# KiCad board 2x2RemotePanel.kicad_pcb (continued)
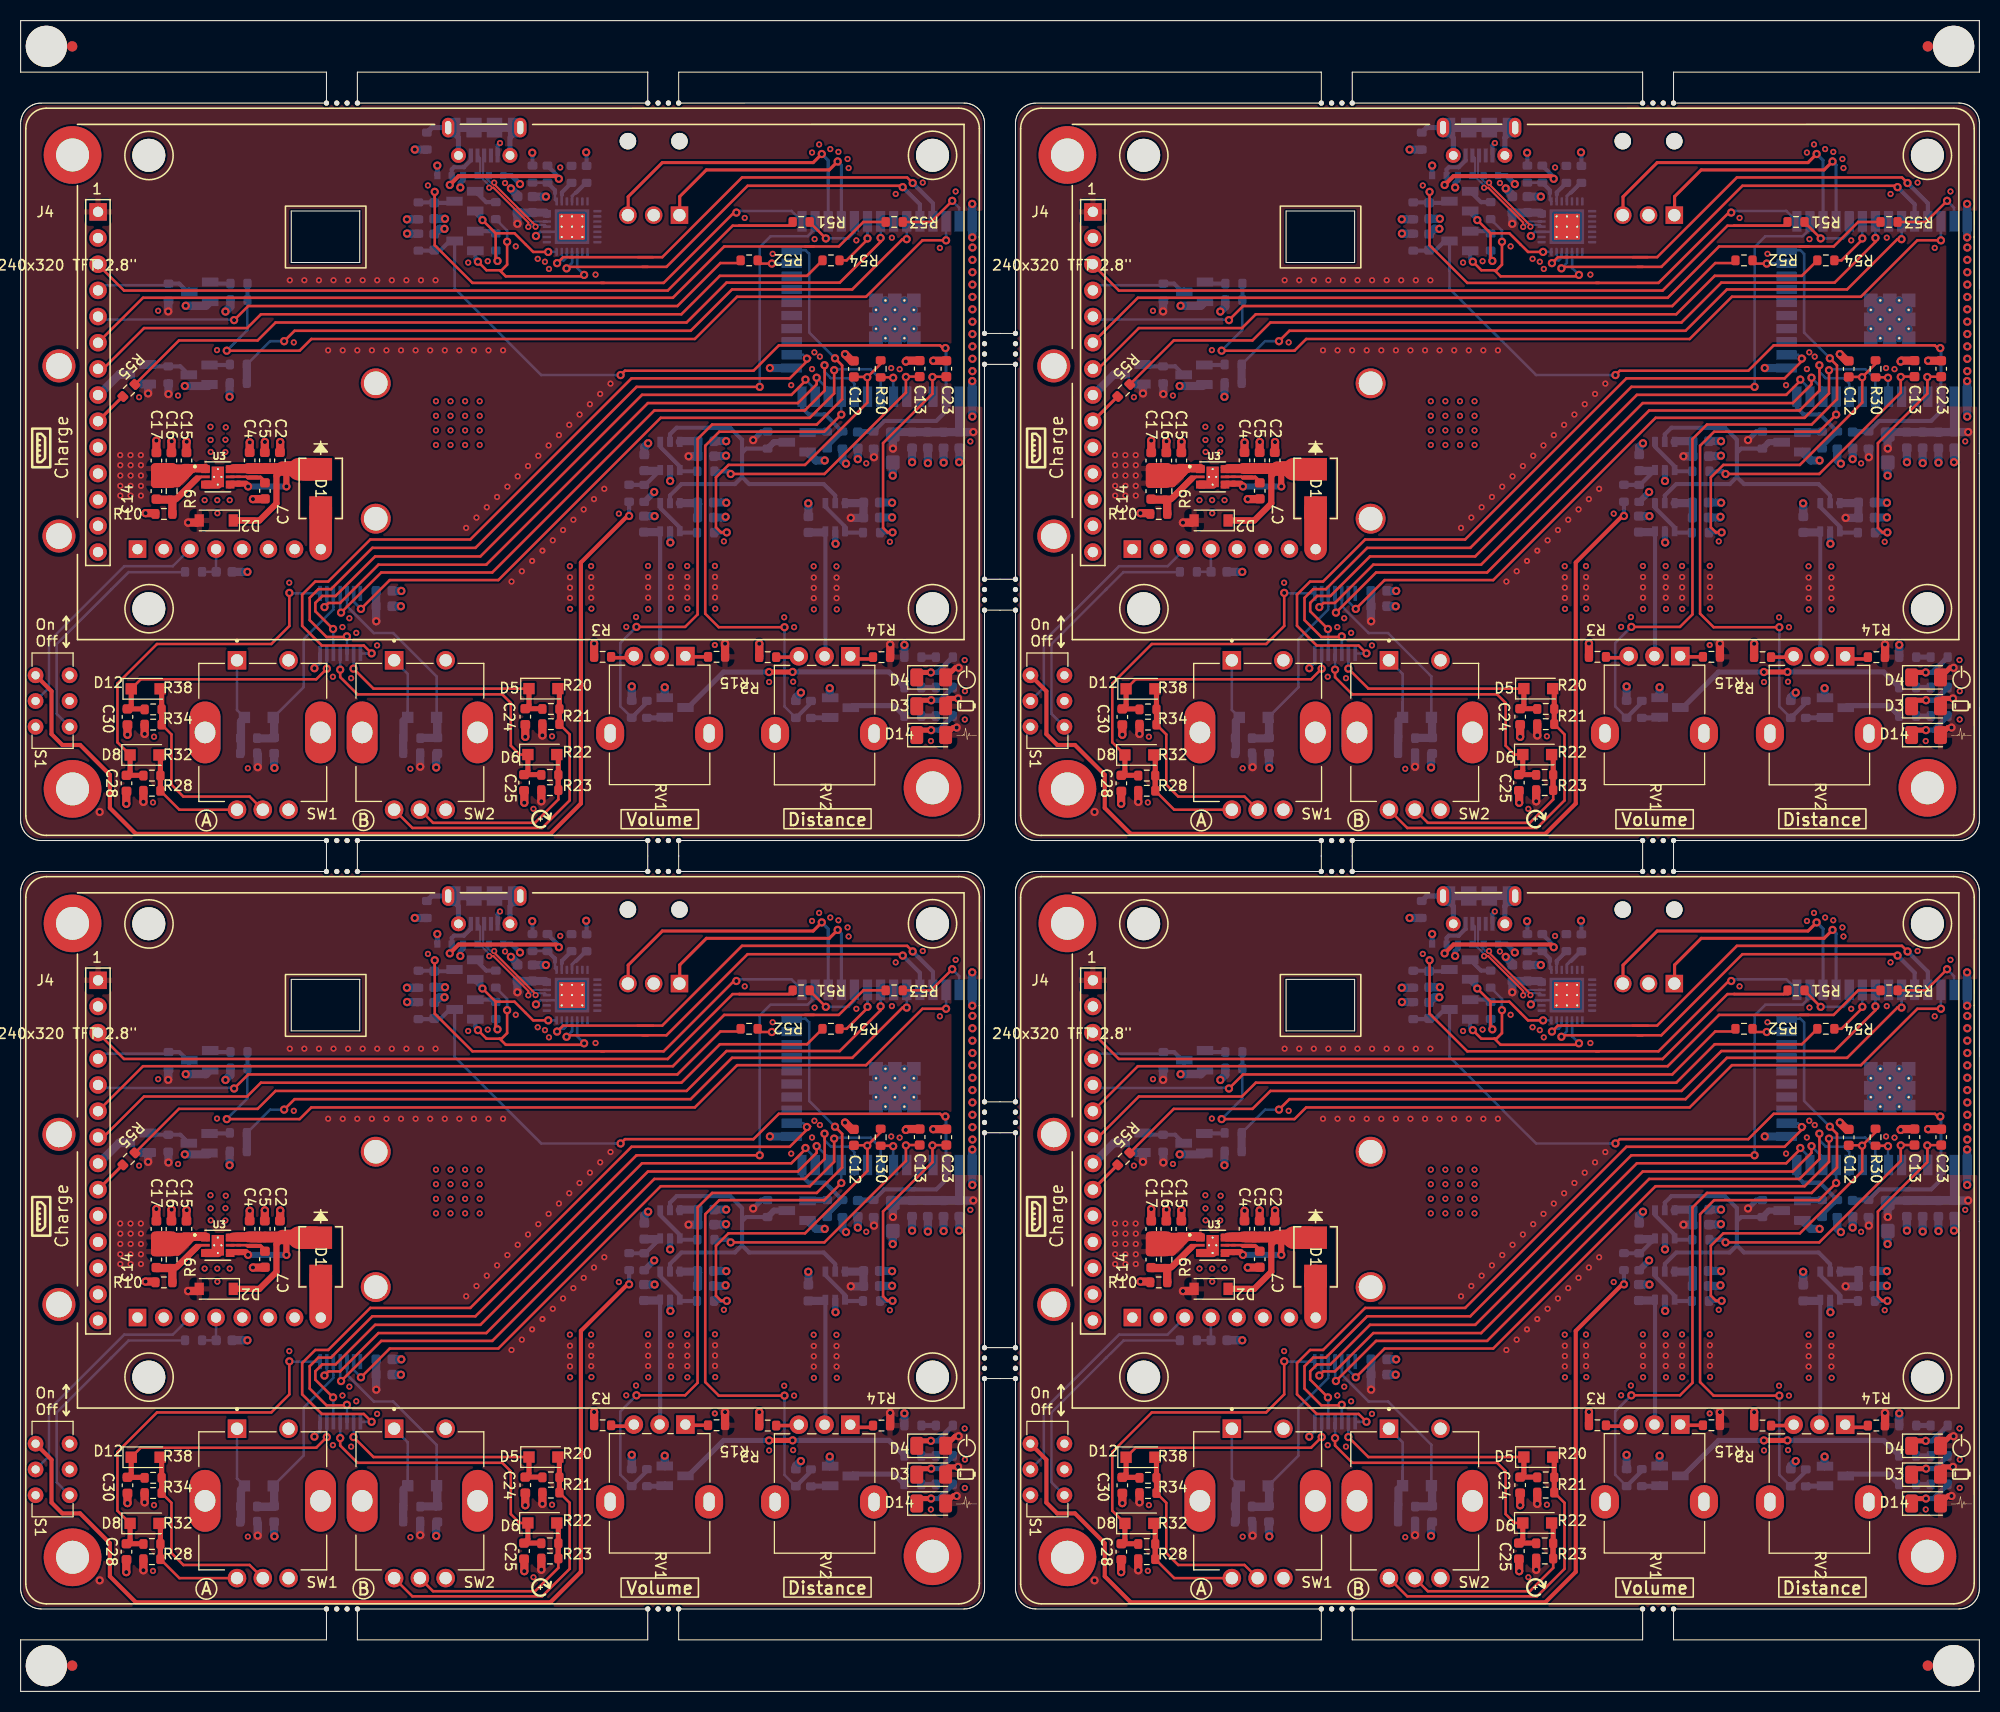
[diagram p0: board, top side]
## Routing (per net, layer and track width the routed paths; a pad name or vN(x,y) marks a point on that pad's centre or on a via; arc(x,y) is an arc through that point) (continued)
Board_1-+5V: length 4
  Top w0.25: 125.61,110.86 J1#3.8
  Top w2.2: D1#2.2 125.61,110.86
Board_1-/D+: length 10.5
  Top w0.2: v1(142.44,146.42) 142.44,146.27 146.45,142.26 v1(146.45,142.15)
  Bottom w0.2: J3#2.3 141.37,148.97 141.37,147.14 142.09,146.42 v1(142.44,146.42) ; v1(146.45,142.15) 146.63,142.33 147.36,142.33 U6.4
Board_1-/D-: length 11.4
  Top w0.2: v1(145.75,142.13) 145.75,142.55 142.37,145.93 v1(141.96,145.93)
  Bottom w0.2: U6.5 146.27,142.65 v1(145.75,142.13) ; D11#4.2 141,147.1 141.96,146.14 v1(141.96,145.93) ; J3#2.2 141.08,148.81 141.08,147.12 141.06,147.1
Board_1-ADC0: length 33.1
  Top w0.25: R30#3.1 179.93,128.84 v2(178.63,127.54) 178.6,127.57 ; 178.6,127.57 178.64,127.53 178.64,125.08 172.59,119.03 165.17,119.03 163.95,117.81 163.95,112.98 164.45,112.48 v2(165,112.48) 165.19,112.48 ; 178.6,127.57 C12#2.2
  Bottom w0.25: 164.98,112.46 v2(165,112.48) ; v2(178.63,127.54) 178.63,125.68 U7#3.9
  Bottom w0.4: R6#4.2 164.98,112.46
Board_1-ADC1: length 26.9
  Top w0.25: v2(182.38,127.57) 182.38,126.06 174.47,118.15 v2(165.39,118.15) ; v2(182.38,127.57) 182.37,127.58 ; v2(182.38,127.57) 182.42,127.6 C13#4.2
  Bottom w0.25: 165.34,118.1 v2(165.39,118.15) 165.39,118.17 ; U7#3.6 182.38,125.74 v2(182.38,127.57)
  Bottom w0.4: v2(165.39,118.15) 165.13,118.41 R7#2.2
Board_1-ADC2: length 22.2
  Top w0.25: v2(181.08,112.48) 180.6,112.48 180.16,112.92 180.16,121.15 184.95,125.94 v2(184.95,127.56) 184.98,127.59 C23#4.2
  Bottom w0.25: v2(184.95,127.56) 185,127.51 U7#3.4 ; 181.06,112.46 v2(181.08,112.48)
  Bottom w0.4: R16#2.2 181.06,112.46
Board_1-DTR: length 13.7
  Top w0.25: 142.58,141.51 144.41,141.51 146.22,139.7 v2(147.68,139.7) ; 142.58,141.51 142.58,139.01 v2(142.76,138.83) ; 142.58,141.51 v2(141.3,142.79)
  Bottom w0.25: v2(147.68,139.7) U6.28 ; 142.74,139.7 R45#4.1 ; Q5#3.2 140.61,143.49
  Bottom w0.4: 140.61,143.49 v2(141.3,142.79) ; v2(142.76,138.83) 142.6,138.99 R45#4.1
Board_1-EN_: length 79.9
  Top w0.25: v2(154.7,127.75) 155.12,128.17 167.59,128.17 170.05,130.63 185.69,130.63 186.18,130.14
  Top w0.3: v2(186.21,130.37) 186.18,130.34 186.18,130.14
  Bottom w0.25: 136.56,139.82 C35#3.2 ; v2(154.7,127.75) 147,127.75 138.61,136.15 Q6#4.3 138.13,140.76
  Bottom w0.3: v2(186.21,130.37) 186.27,130.31 U7#3.3 ; Q6#4.3 138.61,137.93
  Bottom w0.4: U7#3.3 186.27,124.24 185.33,123.3 182.88,123.3 ; C35#3.2 137.26,139.89 138.13,140.76 ; R48.2 136.56,139.82 ; 183.23,123.3 180.29,123.3 R26#4.2
  Bottom w0.5: 179.43,122.27 177.94,122.27
Board_1-Enc1A: length 72.7
  Top w0.25: v2(130.55,100.74) 129.79,101.5 125.72,101.5 123.81,103.41 123.81,106.44 125.08,107.71 126.34,107.71 130.42,111.79 140.12,111.79 155.76,127.43 171.11,127.43 173.08,129.4 172.83,129.4 v2(172.78,129.35)
  Bottom w0.25: U5.1 130.54,100.73 v2(130.55,100.74) ; v2(172.78,129.35) 172.41,129.72 U7#3.16
Board_1-Enc1A_: length 23.1
  Top w0.25: D5#4.1 130.73,97.32 v2(128.8,99.26)
  Top w0.5: R20#4.1 147.09,95.37 C24.1 145.82,95.73 D5#4.1
  Bottom w0.25: v2(128.8,99.26) 128.8,99.26 U5.2
Board_1-Enc1B: length 80.7
  Top w0.25: v2(128.15,102.39) 128.09,102.33 126.18,102.33 124.54,103.97 124.54,106.13 125.38,106.97 126.61,106.97 130.62,110.98 140.62,110.98 156.25,126.6 v2(168.2,126.6)
  Bottom w0.25: U7#3.26 173.57,141.94 172.85,141.22 169.24,141.22 168.2,140.17 v2(168.2,126.6) ; U5.3 128.16,102.38 v2(128.15,102.39)
Board_1-Enc1B_: length 29.8
  Top w0.25: D6#3.1 144.91,90.92 144.05,91.78 144.05,95.93 143.22,96.76 129.18,96.76 127.5,98.44 v2(127.5,99.16)
  Top w0.5: D6#3.1 145.71,89.35 C25#3.1 146.99,88.97 R22.1
  Bottom w0.25: v2(127.5,99.16) U5.4
Board_1-Enc2A: length 61.1
  Top w0.25: v2(173.72,127.49) 173.72,126.85 171.9,125.03 157.35,125.03 141.67,109.35 131.21,109.35 127.49,105.63 126.38,105.63 v2(125.98,105.23)
  Bottom w0.25: v2(125.98,105.23) 126.21,105.46 U5.9 ; U7#3.12 174.84,126.37 v2(173.72,127.49)
Board_1-Enc2A_: length 36.4
  Top w0.25: v2(122.57,106.61) 122.57,103.4 120.82,101.65 109.73,101.65 105.89,97.81 105.89,92.11 D8.1 ; 108.32,88.86 108.35,88.88
  Top w0.5: D8.1 107.12,89.25 C28#2.1 108.39,88.91 R28#2.1
  Bottom w0.25: v2(122.57,106.61) 122.61,106.57 U5.8
Board_1-Enc2B: length 64.3
  Top w0.25: v2(172.63,127.31) 172.63,127.2 171.27,125.83 156.78,125.83 141.1,110.15 130.89,110.15 127.05,106.31 125.76,106.31 125.09,105.64 125.09,104.82 v2(126.81,103.1)
  Bottom w0.25: v2(126.81,103.1) 126.84,103.07 U5.5 ; U7#3.13 173.57,126.37 v2(172.63,127.31)
Board_1-Enc2B_: length 26.9
  Top w0.25: v2(126.21,99.25) 125.18,98.23 108.16,98.23 D12.1
  Top w0.35: C30#4.1 106.89,95.33 108.47,95.33
  Top w0.5: C30#4.1 107.23,95.72 D12.1 ; C30#4.1 106.64,95.35 ; C30#4.1 108.48,95.35 R34#2.1
  Bottom w0.25: U5.6 v2(126.21,99.25)
Board_1-ESP32_RXD0: length 46.3
  Top w0.25: 156.38,139.19 158.74,139.19 166.48,146.93 182.5,146.93 v2(183.04,146.39) ; v2(148.54,138.61) 149.12,139.19 150.1,139.19 ; 157.84,139.19 149.71,139.19
  Bottom w0.25: v2(148.54,138.61) 148.82,138.88 149.2,138.88 149.49,139.18 U6.26
  Bottom w0.4: v2(183.04,146.39) 185,144.42 U7#3.35
Board_1-ESP32_TXD0: length 42.3
  Top w0.25: v2(182.07,145.99) 181.94,146.12 167.02,146.12 159.15,138.25 156.84,138.25 ; v2(149.46,138.1) 149.61,138.25 157.32,138.25
  Bottom w0.25: U6.25 149.99,138.64 v2(149.46,138.1)
  Bottom w0.4: U7#3.34 183.73,144.32 v2(182.07,145.99)
Board_1-GND: length 128.5
  Top w0.4: 114.21,117.24 114.21,117.01
  Top w0.8: C15#4.1 112.59,121.26 v2(112.61,121.28) ; v2(106.75,86.15) 106.75,87.34 C28#2.2 ; 168.16,100.31 v2(168.16,101.68) ; v2(111.15,121.33) 111.13,121.31 C16#4.1 ; 109.57,114.35 v2(108.62,114.35) ; C23#4.1 v2(185.03,129.14) ; 120.17,115.71 v2(119.04,115.71) ; 145.46,93.85 v2(145.46,92.64) ; v2(182.37,129.07) 182.46,129.15 C13#4.1 ; C17#4.1 v2(109.67,121.39) ; 152.13,100.33 v2(152.13,101.7) ; 145.36,87.35 v2(145.36,86.25) ; C30#4.2 v2(106.87,92.85) ; 121.68,120.21 v2(121.68,121.25) ; C12#2.1 177.13,129.12 v2(176.47,129.78) ; 115.67,117.12 114.41,117.12 ; C4#4.1 118.72,121.21 ; C5#2.1 120.19,121.25
  Bottom w0.25: U6.29 149.49,141.65 U6.3 146.9,141.65 v2(146.5,141.25) ; C6.1 157.36,120.02 ; R5#2.2 157.01,115.45 ; 136.62,142.91 136.53,142.91 ; 114.88,126.78 114.83,126.73
  Bottom w0.3: 114.93,126.73 114.88,126.78 ; v2(125,99.3) 125.55,99.84 U5.7 ; 116.8,126.78 116.75,126.73
  Bottom w0.4: v2(146.13,149.33) 146.16,149.31 146.16,148.08 ; J3#2.5 142.77,150.04 v1(143,150.27) ; v2(151.36,149.37) 151.4,149.33 R41#2.2
  Bottom w0.5: D10#3.1 144.13,147.1 v2(144.94,146.29) ; D9#2.1 v2(136.92,148.08) ; D11#4.1 139.42,146.66 139.15,146.39 v2(139.15,145.95)
  Bottom w0.6: 175.53,112.63 175.53,111.4 ; 159.51,118.71 v2(159.51,117.47) ; 157.01,115.45 v2(157.97,116.4) ; 159.51,112.76 159.51,111.52
  Bottom w0.8: 188.82,125.47 v2(188.82,127.17) ; R27#3.1 v2(134.74,149.64) ; U7#3.39_12 U7#3.39_14 U7#3.39_13 182.23,132.24 ; C3#2.1 v2(158,114.06) ; 121.09,90.95 121.09,89.66 v2(121.13,89.62) ; C6.1 157,120.76 v2(157.37,121.13) ; 180.4,132.24 U7#3.39_7 ; 180.4,132.24 U7#3.39_8 ; 180.4,132.24 U7#3.39_15 182.23,132.24 ; v2(174.5,119.46) 173.66,119.46 Q2#4.2 172.94,120.18 ; C31#4.1 v2(147.46,145.07) ; U7#3.39_10 U7#3.39_20 ; v2(188.82,123.72) 188.82,125.65 ; v2(136.82,89.66) 136.82,90.97 136.86,91.01 ; v2(164.93,119.92) 164.9,119.89 163.71,119.89 ; v2(137.62,141.94) 137.13,141.94 C35#3.1 ; v2(133.99,141.48) 134,141.47 R48.1 ; Q4#2.2 114.49,134.48 v2(112.52,134.48) ; 159.51,111.52 v2(159.53,111.5) ; R13.2 v2(182.23,101.56) ; 135.09,142.87 v2(133.98,142.87) ; v2(172.19,96.93) 171.72,96.46 171.72,96.41 ; 114.7,126.69 v2(112.43,126.69) ; C9#2.2 164.93,115.38 v2(164.95,115.36) ; 174.99,96.41 v2(174.99,97.36) ; C29#3.1 144.7,145.22 v2(144.06,145.86) ; C38#3.2 v2(137.67,142.92) ; U7#3.39_11 183.11,134.12 182.91,134.12 182.87,134.08 U7#3.39_21 ; 179.78,113.92 181.02,113.92 v2(181.04,113.94) ; 172.92,113.97 172.92,115.29 v2(172.91,115.3) ; C34#4.1 186.03,119.26 ; 182.23,132.24 U7#3.39_1 ; 170.61,128.43 169.24,128.43 ; U7#3.39_5 U7#3.39_18 U7#3.39_19 U7#3.39_17 ; C8#2.2 164.82,113.92 v2(164.89,113.99) ; C36#2.1 184.5,119.21 ; 188.82,142.82 v2(188.82,141.12) ; U7#3.39_9 180.4,134.08 U7#3.39_16 182.23,134.08 U7#3.39_3 ; 179.78,115.38 181.02,115.38 v2(181.04,115.36) ; v2(116.77,125.64) 116.77,126.95 ; v2(155.79,97.53) 155.78,97.53 R12.2 ; C33#4.1 187.56,119.31 ; v2(116.37,133.91) 116.86,134.4 R42#4.2 ; U7#3.38 v2(188.81,144.36) ; 175.53,111.4 v2(175.55,111.38) ; v2(176.57,119.15) 176.22,119.5 176.22,120.57 ; 181.1,119.36 v2(181.1,117.99) ; C1#3.2 v2(118.5,108.65) ; 132.5,105.31 v2(133.39,105.31) ; Q1#4.2 v2(158.99,97.45) ; 163.71,121.35 164.92,121.35 v2(164.94,121.33) ; C26#4.1 v2(177.71,119.59) ; C22#4.2 v2(133.43,106.8) ; C37#4.1 182.97,119.3
  vias: v1(107.99,125.6) v1(109.34,86.27) v1(109.44,92.65) v1(109.84,133.99) v1(111.77,125.76) v1(114.35,115.61) v1(114.92,122.73) v1(114.93,121.45) v1(114.94,120.29) v1(115.55,130.17) v1(115.58,115.61) v1(115.59,114.34) v1(116.4,122.68) v1(116.37,121.47) v1(116.36,120.28) v1(116.78,115.61) v1(118.54,89.59) v1(122.56,107.6) v1(123,130.92) v1(126.79,98.47) v1(127.72,103.29) v1(128.39,104.15) v1(128.56,98.33) v1(129.06,102.73) v1(131.08,101.51) v1(134.31,89.54) v1(136.01,146.15) v1(136.79,125.21) v1(136.79,123.8) v1(136.79,122.38) v1(136.79,120.97) v1(138.21,125.21) v1(138.21,123.8) v1(138.21,122.38) v1(138.21,120.97) v1(139.62,125.21) v1(139.62,123.8) v1(139.62,122.38) v1(139.62,120.97) v1(139.92,138.67) v1(141.04,125.21) v1(141.04,123.8) v1(141.04,122.38) v1(141.04,120.97) v1(141.82,138.8) v1(143.49,146.39) v1(144.53,140.24) v1(146.25,85.65) v1(146.66,139.03) v1(147.36,138.75) v1(147.75,138.05) v1(148.05,92.69) v1(148.85,147.89) v1(149.78,109.2) v1(149.8,105.06) v1(151.84,109.21) v1(151.87,105.08) v1(152.27,137.5) v1(154.53,114.3) v1(155.25,103.31) v1(156.2,104.26) v1(157.36,109.22) v1(157.38,105.06) v1(159.57,109.21) v1(159.6,105.06) v1(161.16,109.22) v1(161.18,105.06) v1(163.85,109.23) v1(163.88,105.08) v1(164.72,111.61) v1(166.74,143) v1(169.11,97.96) v1(169.45,139.52) v1(170.57,104.24) v1(171.25,126.77) v1(171.44,97.99) v1(171.53,103.28) v1(173.28,149.35) v1(173.27,128.33) v1(173.43,109.19) v1(173.52,140.94) v1(173.5,129.96) v1(173.45,105.01) v1(173.96,150.13) v1(174.03,129.54) v1(175.04,149.68) v1(175.64,109.18) v1(175.67,105.01) v1(175.83,149.41) v1(176.72,148.72) v1(176.82,147.84) v1(177.57,140.82) v1(178.53,119.18) v1(180.82,111.57) v1(181.02,141.08) v1(180.95,128.43) v1(181.39,145.32) v1(181.77,128.32) v1(184.01,146.43) v1(184.8,92.23) v1(185.67,140.09) v1(187.2,145.57) v1(188.08,100.09) v1(188.1,97.07) v1(188.09,94.32) v1(188.63,121.31) v2(118.73,121.22) v2(120.2,121.26) v2(169.19,128.43) v2(182.98,119.29) v2(184.51,119.21) v2(186.04,119.25) v2(187.54,119.29) v2(188.83,140.13) v2(188.83,138.93) v2(188.83,137.73) v2(188.83,136.53) v2(188.83,135.33) v2(188.83,134.13) v2(188.83,132.93) v2(188.83,131.73) v2(188.83,130.53) v2(188.83,129.33) v2(188.83,128.13) v3(163.84,101.55)
Board_1-IO0: length 51.2
  Top w0.25: 152.81,136.7 158.88,136.7 165.7,143.52 v2(165.93,143.52) ; v2(136.67,145.53) 136.67,140.35 140.33,136.7 153.11,136.7
  Bottom w0.25: v2(165.93,143.52) 166.09,143.67 171.29,143.67 U7#3.25 172.3,143.29 ; 136.57,144.52 C38#3.1 136.62,145.48 v2(136.67,145.53) ; 138.43,144.47 Q5#3.3
  Bottom w0.4: R47#2.1 136.57,144.52 ; C38#3.1 138.43,144.47
Board_1-LB: length 52.2
  Top w0.25: v2(170.6,103.28) 164.22,103.28 162.91,104.59 162.91,120.89 164.28,122.25 174.45,122.25 v2(176.11,123.91)
  Bottom w0.25: 171.71,94.79 172.02,94.79 ; U7#3.11 v2(176.11,123.91) 176.08,123.91 ; R29#3.1 170.6,95.58 v2(170.6,103.28) ; 173.17,95.94 R31#2.1
  Bottom w0.4: 172.02,94.79 173.17,95.94
Board_1-MCU_HB: length 69.2
  Top w0.25: v2(175.5,129.38) 176.19,128.69 176.19,125.41 173.73,122.95 163.58,122.95 162.17,121.54 162.17,104.52 160.96,103.31 v2(156.24,103.31)
  Bottom w0.25: v2(175.5,129.38) 173,131.88 173,139.51 172.64,139.88 U7#3.24 170.99,140.19 ; R11#3.1 157.26,95.97 ; v2(156.24,103.31) 154.68,101.75 154.68,95.59 R12.1
  Bottom w0.4: 157.26,95.97 R12.1 155.96,94.32
Board_1-Net-(C1-Pad1): length 3.6
  Bottom w0.25: R1.1 C1#3.1 115.46,108.67 J1#3.4
Board_1-Net-(C3-Pad2): length 14.1
  Bottom w0.25: 158.54,100.03 158.49,99.98 ; U1#4.3 158.44,112.59 ; U1#4.3 158.56,112.57 ; U1#4.3 158.54,112.59 ; U1#4.3 158.52,112.57 ; U1#4.3 158.48,112.53
  Bottom w0.4: U1#4.3 158.54,100.03
  Bottom w0.8: 157.13,112.51 158.33,112.51
Board_1-Net-(C6-Pad2): length 5.9
  Bottom w0.25: 157.18,117.28 R5#2.1 ; 158.54,118.84 U2#3.3 ; 158.24,118.23 157.88,117.87 ; 155.54,117.1 R4#4.2
  Bottom w0.4: U2#3.3 157.1,117.1 R5#2.1 155.54,117.1
  Bottom w0.8: 157.06,118.46 158.26,118.46
Board_1-Net-(C7-Pad2): length 6.8
  Top w0.25: 119.98,117.67 119.87,117.78 ; 119.75,117.74 118.67,117.74 ; 118.43,117.85 118.54,117.74 119.62,117.74 ; 117.81,117.88 116.89,117.88 ; 119.88,117.77 119.77,117.88 ; 119.76,117.88 118.68,117.88 ; 120.02,117.63 119.91,117.74 ; 119.45,117.88 118.37,117.88 ; 118.4,117.88 117.48,117.88
Board_1-Net-(C14-Pad1): length 8.9
  Top w0.23: 113.63,117.48 113.97,117.82 ; 113.53,117.89 114.01,117.89
  Top w0.6: 111.6,115.71 113.42,117.53 ; 111.77,115.88 113.59,117.7 ; 111.13,115.71 111.16,115.71
  Top w0.8: R10.2 111.22,114.28 111.22,115.62 ; 109.67,115.66 111.08,115.66
Board_1-Net-(C18-Pad2): length 14.3
  Bottom w0.25: 174.46,112.48 U4#3.3 ; 174.49,100.24 174.49,99.96 174.57,100.04
  Bottom w0.4: U4#3.3 174.57,100.04
  Bottom w0.8: 173.17,112.48 174.37,112.48
Board_1-Net-(D3-Pad1): length 4.3
  Top w0.25: 184.01,96.19 D3#2.1
  Top w0.5: v2(184.83,96.19) 184.01,96.19
  Bottom w0.5: R8#2.1 185.69,96.19 v2(184.83,96.19)
Board_1-Net-(D4-Pad1): length 4.3
  Top w0.25: 183.91,98.89 D4#2.1
  Top w0.5: v2(184.8,98.89) 183.91,98.89
  Bottom w0.5: R58.1 185.45,98.89 v2(184.8,98.89)
Board_1-Net-(D5-Pad2): length 30.3
  Top w0.25: R21.2 149.76,92.88 149.76,86.47 147.09,83.8 134.51,83.8 SW2#2.A
  Top w0.35: 148.66,95.32 148.68,95.35 ; 148.68,93.87 148.66,93.85
  Top w0.5: R21.2 148.77,97.17 D5#4.2
Board_1-Net-(D6-Pad2): length 20.8
  Top w0.25: SW2#2.C 136.51,84.3 146.4,84.3 148.67,86.56 R23#4.2
  Top w0.35: 148.58,88.9 148.58,88.89 148.58,87.37
  Top w0.5: D6#3.2 148.67,90.77 R23#4.2
Board_1-Net-(D8-Pad2): length 13.3
  Top w0.25: R32#2.2 111.9,85.57 SW1.A
  Top w0.35: 110,87.36 110,88.88
  Top w0.5: D8.2 110.06,90.74 R32#2.2
Board_1-Net-(D12-Pad2): length 21.1
  Top w0.25: SW1.C 118.72,86.84 112.29,86.84 111.13,88 111.13,92.88 R38.2
  Top w0.35: 110.12,93.83 110.12,95.33
  Top w0.5: D12.2 110.18,97.15 R38.2
Board_1-Net-(D14-Pad1): length 4.3
  Top w0.25: 183.91,93.29 D14.1
  Top w0.5: v2(184.82,93.29) 183.91,93.29
  Bottom w0.5: v2(184.82,93.29) 185.56,93.29 R40#2.1
Board_1-Net-(J3-Pad6): length 28.7
  Bottom w0.5: J3#2.6 J3#2.6 ; J3#2.6 J3#2.6 ; J3#2.6 J3#2.6 143.97,150.77 J3#2.6 ; J3#2.6 136.4,151.77 135.91,151.29 ; J3#2.6 J3#2.6 ; J3#2.6 138.97,150.77 J3#2.6
  Bottom w0.8: 139.84,151.77 142.34,151.77 140.44,151.77 ; 141.86,151.78 144.36,151.78 142.46,151.78 ; J3#2.6 J3#2.6 J3#2.6
Board_1-Net-(J4-Pad3): length 76.8
  Top w0.25: 166.21,142.26 166.22,142.25 171.45,142.25 171.46,142.26 ; 171.4,142.61 R51#4.2 171.03,142.25 165.57,142.25 159.27,135.95 106.53,135.95 104.01,138.47 J4#4.3 ; J4#4.3 104.14,138.38 ; J4#4.3 104.04,138.53
  Top w0.35: 104.14,138.38 104.23,138.47
Board_1-Net-(J4-Pad4): length 9.6
  Bottom w0.25: 110.7,136.47 104.52,136.47
  Bottom w0.3: 104.52,136.47 J4#4.4
  Bottom w0.4: R46#4.2 111.89,136.63 112.69,135.83 Q4#2.3
  Bottom w0.5: 110.7,136.47 R46#4.2 110.85,136.55
  Bottom w0.8: 112.85,135.85 Q4#2.3
Board_1-Net-(J4-Pad5): length 65
  Top w0.25: 117.18,132.93 117.21,132.96 v2(117.21,133.08) 118.58,134.45 160.21,134.45 164.38,138.62 166.09,138.62 R52#3.2
  Bottom w0.25: J4#4.5 104.3,133.14 117.16,133.14 v2(117.21,133.08)
Board_1-Net-(J4-Pad6): length 82.1
  Top w0.25: R53#3.2 178.25,142.61 175.87,140.23 172.58,140.23 ; J4#4.6 108.38,135.25 159.77,135.25 164.75,140.23 173.46,140.23
Board_1-Net-(J4-Pad7): length 75.2
  Top w0.25: J4#4.7 104.51,128.35 108.47,132.31 118.47,132.31 119.81,133.65 160.6,133.65 164.33,137.38 172.79,137.38 174.42,139.01 ; 104.4,128.35 104.06,128.35
Board_1-Net-(J4-Pad9): length 3.4
  Top w0.25: R55#2.2 106.41,125.67
  Top w0.3: 106.41,125.67 J4#4.9
Board_1-Net-(Q1-Pad1): length 1.8
  Bottom w0.25: 158.93,94.49 Q1#4.1
  Bottom w0.5: R11#3.2 158.93,94.49
  Bottom w0.8: 158.96,94.52 Q1#4.1
Board_1-Net-(Q1-Pad3): length 23.3
  Top w0.5: v2(171.39,98.94) 171.38,98.93 v2(169.1,98.93)
  Bottom w0.5: v2(171.39,98.94) 180.72,98.94 R57#3.2 ; Q1#4.3 161.25,95.49 164.69,98.93 v2(169.1,98.93)
Board_1-Net-(Q2-Pad1): length 1.9
  Bottom w0.25: 172.92,122.26 Q2#4.1
  Bottom w0.6: R18#2.2 172.92,122.26
Board_1-Net-(Q3-Pad1): length 2.1
  Bottom w0.25: R31#2.2 173.44,94.75 ; 174.8,94.75 Q3.1
  Bottom w0.5: 173.28,94.49 174.64,94.49
Board_1-Net-(Q3-Pad3): length 5.7
  Bottom w0.5: R59#3.2 181.21,95.67 177.24,95.67 Q3.3
Board_1-Net-(Q4-Pad1): length 2
  Bottom w0.25: 115.04,136.63 Q4#2.1
  Bottom w0.4: R43#3.2 115.04,136.63
Board_1-Net-(Q5-Pad1): length 2.4
  Bottom w0.4: R44.2 141.66,144.53 Q5#3.1
Board_1-Net-(Q6-Pad1): length 2.1
  Bottom w0.25: 142.38,141.71 R45#4.2
  Bottom w0.4: Q6#4.1 142.38,141.71
Board_1-Net-(Q7-Pad1): length 1.8
  Bottom w0.4: 116.75,128.73 114.93,128.73
Board_1-Net-(Q7-Pad3): length 4.2
  Bottom w0.4: 109,128.6 111.99,128.6 Q7.3
Board_1-Net-(R1-Pad2): length 24.5
  Bottom w0.25: 105.35,107 106.98,108.63 112.43,108.63 R1.2 ; 105.35,107 100,101.65 100,94.86 S1#3.6 ; 105.35,107 105.25,106.9 ; 101.25,93.9 101.25,93.42
Board_1-Net-(R2-Pad2): length 2.4
  Top w0.35: 160.99,99.98 161.42,100.4 R2.2
Board_1-Net-(R3-Pad1): length 2.3
  Top w0.35: 155.99,99.98 155.65,100.32 153.87,100.32
Board_1-Net-(R4-Pad1): length 96.1
  Top w0.25: v2(155.53,114.08) 155.37,114.08
  Top w0.4: 155.37,114.08 150.85,109.56 150.85,86.18 147.9,83.22 107.68,83.22 105.16,85.74 105.16,88.96 102.27,91.85 100.55,91.85 99.5,92.9 99.5,97.06 S1#3.1
  Bottom w0.4: R4#4.1 v2(155.53,114.08)
Board_1-Net-(R6-Pad1): length 5.2
  Bottom w0.25: 160.44,112.97 U1#4.1 160.57,112.46 ; U1#4.4 158.54,114.87
  Bottom w0.4: 158.54,114.87 160.44,112.97 ; R6#4.1 160.57,112.46
Board_1-Net-(R7-Pad1): length 5.3
  Bottom w0.25: 160.44,118.89 U2#3.1 160.57,118.41 ; U2#3.4 158.54,120.79
  Bottom w0.4: R7#2.1 160.57,118.41 ; 158.54,120.79 160.44,118.89
Board_1-Net-(R13-Pad1): length 1.4
  Bottom w0.5: R13.1 R58.2
Board_1-Net-(R14-Pad2): length 2.4
  Top w0.35: R14#2.2 179.01,100.2 177.23,100.2 176.99,99.96
Board_1-Net-(R15-Pad1): length 2.4
  Top w0.35: 171.99,99.96 171.57,100.38 R15#4.1
Board_1-Net-(R16-Pad1): length 5.3
  Bottom w0.25: U4#3.4 174.57,114.95 ; 176.47,113.05 U4#3.1 176.6,112.46
  Bottom w0.4: 174.57,114.95 176.47,113.05 ; R16#2.1 176.6,112.46
Board_1-Net-(R30-Pad2): length 3.1
  Top w0.25: R30#3.2 181.1,127.53 v2(181.14,127.49)
  Bottom w0.25: v2(181.14,127.49) 181.14,125.71 U7#3.7
Board_1-Net-(R35-Pad1): length 3.6
  Bottom w0.25: U6.8 148.34,144.75 148.34,145.38 ; R37#2.1 R35.1
  Bottom w0.4: R35.1 148.34,145.69 148.34,145.38
Board_1-Net-(R39-Pad2): length 2.3
  Bottom w0.25: R39#2.2 149.86,146.33 ; 149.01,145.24 148.99,145.22 U6.9
  Bottom w0.4: 149.01,145.24 149.01,145.48 R39#2.2
Board_1-Net-(R40-Pad2): length 1.4
  Bottom w0.5: R59#3.1 R40#2.2
Board_1-Net-(R41-Pad1): length 2.5
  Bottom w0.25: 151.4,146.41 151.3,146.41 ; U6.11 149.99,145.12 ; 150.38,145.45 150.33,145.45
  Bottom w0.3: 150.33,145.45 149.99,145.12
  Bottom w0.4: 150.38,145.45 151.33,146.41 151.3,146.41
Board_1-Net-(R57-Pad1): length 1.4
  Bottom w0.5: R57#3.1 R8#2.2
Board_1-OA_LP: length 8.2
  Bottom w0.25: R18#2.1 174.74,120.78
  Bottom w0.4: 174.74,120.78 R19#2.1 174.54,123.94 172.94,123.94 172.3,124.58 U7#3.14
Board_1-PD#: length 38.6
  Bottom w0.25: 166.48,117.86 166.48,118.94 ; 166.49,121.47 166.49,120.21 ; 166.22,121.74 166.48,121.48
  Bottom w0.4: 166.48,121.48 166.48,117.86 ; 166.48,117.86 165.79,117.17 160.6,117.17 159.49,116.06 U1#4.5 ; 166.48,117.86 167.17,117.17 174.41,117.17 175.52,116.05 U4#3.5 ; R17#2.2 166.89,120.61 166.49,120.21 ; 166.49,121.47 165.32,122.64 160.13,122.64 159.49,122 U2#3.5
  Bottom w0.6: Q2#4.3 169.58,121.24 R17#2.2
Board_1-RTS: length 20.4
  Top w0.25: v2(140.87,138.75) 141.7,137.92 142.97,137.92 ; 142.97,137.92 143.15,137.92 143.7,138.46 v2(143.7,140.69) ; 142.97,137.92 143.56,137.33 151.02,137.33 v2(151.17,137.47)
  Bottom w0.25: U6.24 150.49,138.14 v2(151.17,137.47) ; R44.1 143.7,141.77 v2(143.7,140.69)
  Bottom w0.4: v2(140.87,138.75) 140.62,139 Q6#4.2
Board_1-RX2: length 24
  Top w0.3: 160.44,143.75 160.44,145.08 163.02,147.66 174.94,147.66 v2(175.76,148.48)
  Bottom w0.3: U7#3.28 176.11,148.13 v2(175.76,148.48)
Board_1-Sel1: length 65.3
  Top w0.25: v2(129.51,105.06) 132.31,107.85 142.84,107.85 158.59,123.6 173.05,123.6 175.42,125.97 v2(175.42,128.22)
  Bottom w0.25: v2(129.51,105.06) 128.8,105.77 U5.13 ; U7#3.8 179.92,127.35 178.95,128.32 175.52,128.32 v2(175.42,128.22)
Board_1-Sel1_: length 12.1
  Bottom w0.25: 134.05,96.03 D7.2 134.05,98.75 SW2#2.1
  Bottom w0.35: R24#3.2 133.62,92.5 R25.1
  Bottom w0.8: 133.62,91.11 133.62,92.59 ; 133.64,92.64 133.64,94.19
Board_1-Sel1_Filt: length 19.8
  Bottom w0.25: D7.1 136.85,98.5 132.64,102.71 130.76,102.71 128.16,105.31 U5.12
  Bottom w0.8: 136.92,94.26 136.92,92.71 ; 136.86,92.56 136.83,92.54 135.39,92.54
Board_1-Sel2: length 66.4
  Top w0.25: v2(174.49,128.7) 174.5,128.69 174.5,126.24 172.56,124.31 157.97,124.31 142.25,108.59 131.48,108.59 v2(127.59,104.7)
  Bottom w0.25: v2(127.59,104.7) 127.5,104.78 U5.11 ; v2(174.49,128.7) 174.49,128.06 175.1,127.45 176.85,127.45 177.38,126.91 U7#3.10 177.38,124.73
Board_1-Sel2_: length 10.4
  Bottom w0.25: SW1.1 117.49,95.24 D13#2.2
  Bottom w0.35: 117.85,91 117.85,92.51 117.87,92.52
  Bottom w0.8: 117.88,91.02 117.88,92.5 ; 117.88,92.6 117.88,94.15
Board_1-Sel2_Filt: length 17.6
  Bottom w0.25: D13#2.1 123.95,97.46 123.95,102.11 126.84,105 126.84,105.27 U5.10
  Bottom w0.8: 119.55,92.5 121.1,92.5 ; 121.1,94.22 121.1,92.67
Board_1-TFT_CS~: length 6.3
  Top w0.25: R51#4.1 173.05,142.58 v2(174.61,141.01)
  Bottom w0.25: v2(174.61,141.01) 176.81,141.01 177.38,141.58 U7#3.29
Board_1-TFT_DC: length 3.4
  Top w0.25: R52#3.1 168.31,138.57 v2(169.38,138.57)
  Bottom w0.25: U7#3.23 169.42,138.61 v2(169.38,138.57)
Board_1-TFT_LED: length 3.6
  Bottom w0.8: Q8#3.3 106.08,127.83 104.06,125.81
Board_1-TFT_MISO: length 80
  Top w0.25: v2(179.92,141.06) 179.92,140.68 175.96,136.72 164.97,136.72 161.1,132.85 121.23,132.85 119.49,131.11 111.86,131.11 R55#2.1
  Bottom w0.25: U7#3.31 v2(179.92,141.06)
Board_1-TFT_MOSI: length 7.9
  Top w0.25: R53#3.1 184.82,142.61 v2(186.87,144.66)
  Bottom w0.25: v2(186.87,144.66) 187.54,143.99 U7#3.37
Board_1-TFT_ON/PWM_BL_CTRL: length 74.6
  Top w0.25: v2(182.46,140.94) 182.05,140.94 177.17,136.06 165.51,136.06 161.5,132.05 123.08,132.05 v2(122.07,131.04)
  Bottom w0.25: v2(122.07,131.04) 120.71,131.04 R50#4.1 ; v2(182.46,140.94) 182.46,140.95 U7#3.33
  Bottom w0.35: 118.45,126.78 R50#4.1
  Bottom w0.8: R50#4.1 R49#3.1
Board_1-TFT_RST: length 83.4
  Top w0.25: v2(116.5,130.12) 123.57,130.12 124.7,131.25 161.9,131.25 166,135.35 178.51,135.35 183.99,140.82 v2(186.28,140.82) 186.27,140.82
  Bottom w0.25: v2(186.28,140.82) 186.27,140.83 U7#3.36 ; v2(116.5,130.12) 118.51,132.12 R42#4.1
  Bottom w0.4: R42#4.1 R43#3.1
Board_1-TFT_SCK: length 5.3
  Top w0.25: v2(178.65,141.01) 178.65,140.91 176.63,138.88 R54#4.1
  Bottom w0.25: U7#3.30 v2(178.65,141.01)
Board_1-TX2: length 28.6
  Top w0.3: 155.44,143.75 155.44,145.06 158.75,148.37 173.38,148.37 v2(174.22,149.21)
  Bottom w0.3: v2(174.22,149.21) 174.84,148.58 U7#3.27
Board_1-VBAT: length 24.2
  Top w0.25: 98.4,96.15 97.95,96.15
  Bottom w0.25: J1#3.3 111.26,109.2 106.55,109.2 99.25,101.9 99.25,97.41 S1#3.2
Board_1-VBUS: length 17.4
  Top w0.4: v2(148.72,146.8) 148.45,147.06 138.99,147.06 v2(138.13,146.2)
  Bottom w0.25: J3#2.1 140.17,148.59 ; 138.27,147.65 138.54,147.92
  Bottom w0.4: 147.61,148.08 148.72,146.97 v2(148.72,146.8) ; 140.17,148.59 139.5,147.92 138.54,147.92 138.32,147.7 138.32,146.39 v2(138.13,146.2)
Board_2-+3V3: length 86.5
  Top w0.25: 13.17,42.74 C17#3.2 ; 14.63,42.69 C16.2 ; D3#3.2 89.73,21.53
  Top w0.5: D4.2 90.66,24.76 v2(91,24.76) ; D14#4.2 90.46,18.97 v2(90.8,18.97) ; 89.73,21.53 89.99,21.79 v2(90.94,21.79) ; 18.1,43.93 18.1,44.16 ; 18.11,43.96 18.11,44.19
  Top w0.6: D2.2 17.33,39.07
  Top w0.8: 17.52,44.14 16.78,44.14 16.74,44.11 16.54,44.11 ; R21#4.1 v2(50.62,18.21) ; R23#3.1 v2(50.51,11.81) ; v2(12.03,18.35) 12.03,19.25 R38#3.1 ; 15.08,44.11 16.54,44.11 ; 16.54,44.11 16.49,44.06 ; 17.95,44.15 17.21,44.15 ; 13.04,42.64 14.5,42.64 ; C16.2 C17#3.2 ; 68.34,25.86 v2(68.34,27.11) ; 14.6,42.74 13.14,42.74 ; 17.82,44.15 17.08,44.15 ; 17.33,39.07 17.12,38.86 v2(16.25,38.86) ; 13.05,42.65 13.05,44.11 ; 14.77,42.97 15.81,44.02 ; 14.65,43.44 13.19,43.44 ; 13.05,42.68 13.05,44.14 ; 13.25,42.64 14.71,42.64 ; 84.36,25.76 84.36,27.01 ; 14.51,44.24 13.05,44.24 ; 14.72,43.82 16.18,43.82 ; 15.61,43.09 16.64,44.12 ; R32#3.1 v2(11.91,11.76) ; 16.25,43.73 15.21,42.69 14.63,42.69 ; 14.71,42.73 14.71,44.19 ; 14.76,44.24 13.3,44.24
  Bottom w0.25: 50.91,68.95 U6#3.7 ; 84.61,46.05 v2(84.62,46.04) ; 14.32,60.37 R46#2.1 ; 12.5,52.03 12.32,52.2
  Bottom w0.4: 51.24,68.98 51.24,68.66
  Bottom w0.5: v2(71.06,46.87) 71.88,47.69 R17.1
  Bottom w0.8: 50.99,68.85 51.02,68.85 ; U1#3.6 65.65,40.75 65.71,40.68 65.71,39.41 ; U2#2.6 64,46.76 C11#2.1 65.71,45.3 C10#4.1 v2(64.8,45.3) ; 80,40.75 81.71,40.75 ; C22#3.1 34.49,29.3 v2(34.5,29.29) ; 82.78,46.01 v2(82.78,45.21) ; 91.04,47.97 U7.2 ; v2(48.19,67.86) 48.2,67.87 C29#2.2 C31.2 50.91,68.95 ; 84.82,47.65 89.4,47.65 ; 81.81,39.32 v2(80.54,39.32) ; C37.2 91.05,47.64 ; C20.1 C19#2.1 ; R24#2.1 v2(38.76,15.16) ; 87.83,47.65 v2(92.41,47.65) ; 12.37,52.3 v2(12.37,51.4) ; v2(14.32,59.36) 14.32,60.37 ; v2(14.34,51.34) 14.34,52.36 ; C39.1 84.61,46.05 ; 23,16.42 v2(23,15.12)
  vias: v1(9.66,45.41) v1(9.67,44.43) v1(9.67,43.43) v1(9.67,42.43) v1(9.67,41.48) v1(10.66,45.41) v1(10.67,44.43) v1(10.67,43.43) v1(10.67,42.43) v1(10.67,41.48) v1(11.66,45.41) v1(11.67,44.43) v1(11.67,43.43) v1(11.67,42.43) v1(11.67,41.48) v1(26.11,62.38) v1(27.52,62.38) v1(28.94,62.38) v1(29.83,55.58) v1(30.35,62.38) v1(31.25,55.58) v1(31.77,62.38) v1(32.66,55.58) v1(33.18,62.38) v1(34.07,55.58) v1(34.59,62.38) v1(35.49,55.58) v1(36.01,62.38) v1(36.9,55.58) v1(37.42,62.38) v1(38.32,55.58) v1(38.84,62.38) v1(39.73,55.58) v1(40.25,62.38) v1(41.14,55.58) v1(42.56,55.58) v1(43.22,38.35) v1(43.97,55.58) v1(44.22,39.35) v1(45.22,40.35) v1(45.39,55.58) v1(46.22,41.35) v1(46.8,55.58) v1(47.22,42.35) v1(47.62,33.14) v1(48.22,43.35) v1(48.62,34.14) v1(49.22,44.35) v1(50.22,45.35) v1(51.22,46.35) v1(51.62,37.14) v1(52.22,47.35) v1(52.62,38.14) v1(53.22,48.35) v1(53.29,33.55) v1(53.29,32.55) v1(53.29,31.55) v1(53.62,39.14) v1(54.22,49.35) v1(54.62,40.14) v1(55.22,50.35) v1(55.35,33.57) v1(55.35,32.57) v1(55.35,31.57) v1(55.62,41.14) v1(56.22,51.35) v1(56.62,42.14) v1(57.22,52.35) v1(60.87,33.58) v1(60.87,32.58) v1(60.87,31.58) v1(63.08,33.58) v1(63.08,32.58) v1(63.08,31.58) v1(64.67,33.58) v1(64.67,32.58) v1(64.67,31.58) v1(67.36,33.6) v1(67.36,32.6) v1(67.36,31.6) v1(76.94,33.53) v1(76.94,32.53) v1(76.94,31.53) v1(79.15,33.53) v1(79.15,32.53) v1(79.15,31.53) v2(7.67,10.78) v2(84.35,27.03) v3(49.62,35.14) v3(50.62,36.14)